# KiCad board trifecta.kicad_pcb (continued)
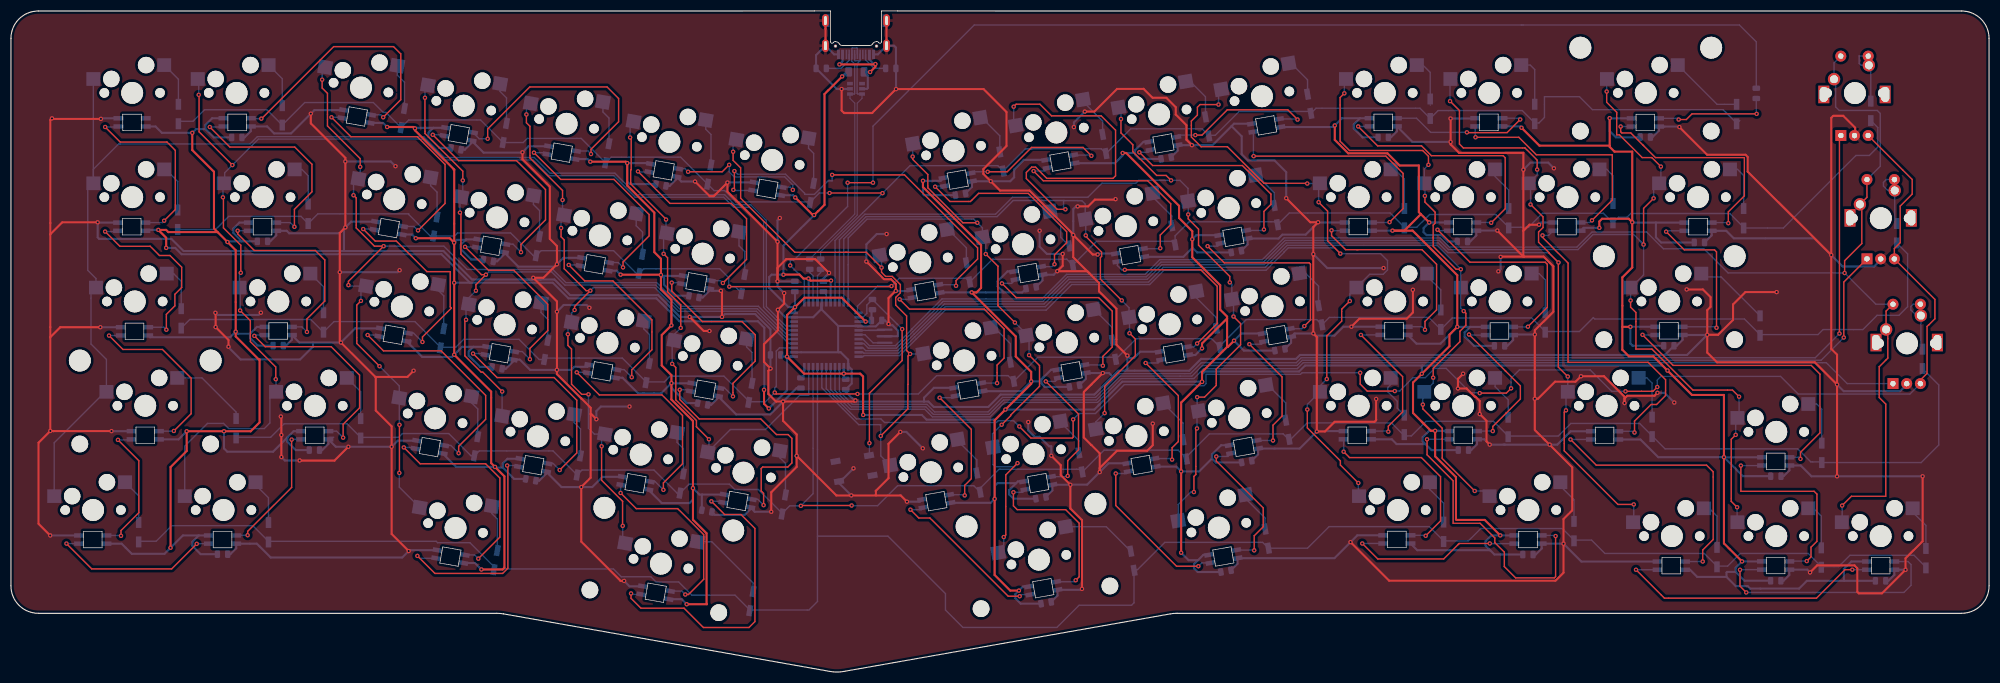
[diagram p0: board, top side]
## Routing (per net, layer and track width the routed paths; a pad name or vN(x,y) marks a point on that pad's centre or on a via; arc(x,y) is an arc through that point) (continued)
col2: length 180.5
  Top w0.25: 68.02,77.79 v1(68.01,77.8) ; v1(68.01,77.8) 61.59,71.37 v1(61.59,70.68) ; v1(68.01,77.8) 66.33,77.8 63.01,81.12 63.01,86.61 v1(62.52,87.1) ; v1(63.87,67.8) 63.11,67.04 63.11,60.02 v1(67.26,55.87) ; v1(56.79,108.21) 56.79,106.69 57.76,105.71 57.76,99.76 63.73,93.79 v1(63.73,92.28) ; v1(70.9,45.17) 70.9,36.4 v1(70.87,36.37) 70.91,36.33 70.97,36.33
  Bottom w0.25: v1(62.52,87.1) 62.52,89.18 K_19.1 63.73,90.4 v1(63.73,92.28) ; 143.09,61.62 141.6,61.62 136.4,66.81 122.18,66.81 117.86,71.13 101.29,71.13 98.87,73.54 83.25,73.54 79,77.8 v1(68.01,77.8) ; v1(56.79,108.21) 56.79,109.94 K_3.1 ; v1(70.9,45.17) 70.87,45.2 K_49.1 70.87,52.26 v1(67.26,55.87) ; v1(63.87,67.8) 63.87,69.57 K_35.1 61.77,70.49 v1(61.59,70.68) ; K_64.1 70.87,33.78 v1(70.87,36.37)
col3: length 132.5
  Top w0.25: v1(83.05,64.35) 82.84,64.14 82.84,57.75 85.81,54.78 86.11,54.78 v1(89.65,51.24) ; v1(84.85,69.66) 84.85,70.76 v1(86.68,72.59) 85.86,72.59 82.12,76.33 82.12,83.74 v1(81.94,83.93) ; v1(82.46,89.81) 82.46,91.49 75.56,98.39 v1(75.56,104.9)
  Bottom w0.25: v1(86.68,72.59) 87.18,73.09 98.69,73.09 101.1,70.68 117.67,70.68 121.99,66.36 136.22,66.36 141.76,60.82 143.09,60.82 ; v1(75.56,104.9) 75.56,106.64 K_4.1 ; v1(89.65,51.24) 89.63,51.22 K_50.1 ; v1(81.94,83.93) 81.94,86.53 K_20.1 82.46,87.06 v1(82.46,89.81) ; v1(84.85,69.66) 83.56,68.37 K_36.1 83.05,66.68 v1(83.05,64.35)
col4: length 136.7
  Top w0.25: v1(100.4,81.12) 100.4,79.5 100.97,78.93 100.97,73.67 104.97,69.67 v1(105.73,69.67) 102.86,66.79 v1(102.86,66.14) ; v1(105.4,50.73) 104.16,50.73 102.3,52.59 102.3,59 101.64,59.66 v1(101.64,61.71) ; v1(107.79,41.24) 107.79,35.03 111.62,31.21 111.62,26.66 111.62,26.68 v1(111.64,26.71) ; v1(94.07,101.86) 94.07,100.34 94.72,99.69 94.72,93.91 100.66,87.97 v1(100.66,86.23)
  Bottom w0.25: 143.09,60.02 141.92,60.02 136.03,65.91 121.8,65.91 117.49,70.23 106.29,70.23 v1(105.73,69.67) ; v1(111.64,26.71) 111.64,23.97 K_65.1 ; v1(100.66,86.23) 100.66,83.74 K_21.1 100.4,82.93 v1(100.4,81.12) ; v1(102.86,66.14) 102.32,65.6 K_37.1 101.64,63.2 v1(101.64,61.71) ; K_5.1 94.07,103.08 v1(94.07,101.86) ; v1(105.4,50.73) 105.4,44.54 106.47,43.46 K_51.1 107.79,42.86 v1(107.79,41.24)
col5: length 96.7
  Top w0.25: v1(112.99,97.65) 113.19,97.45 113.19,91.79 113.1,91.7 113.1,89.17 119.55,82.72 v1(119.55,82.66) ; v1(120.67,56.29) 121.33,55.63 121.33,49.72 125.1,45.95 125.1,44.8 v1(127.38,42.52) ; v1(119.11,76.4) 119.83,75.68 119.83,69.48 122.23,67.07 v1(122.23,62.87)
  Bottom w0.25: v1(120.67,56.29) 120.67,60.16 K_38.1 121.08,61.71 v1(122.23,62.87) ; v1(127.38,42.52) 127.38,40.38 K_52.1 131.3,44.3 137.69,44.3 143.95,50.57 145.59,50.57 145.59,55.92 ; v1(119.55,82.66) 119.55,80.3 K_22.1 119.11,79.57 v1(119.11,76.4) ; v1(112.99,97.65) 112.99,99.94 K_6.1
col6: length 109.5
  Top w0.25: v1(131.79,95.05) 131.79,93.47 133.16,92.1 133.16,86.56 143.04,76.68 156.09,76.68 v1(158.88,73.89) 158.88,73.02 159.62,72.27 160.82,72.27 162.32,70.78 162.32,69.29 161.46,68.43 161.46,67.04 163.45,65.05 163.45,58.74 v1(164.09,58.11) 163.71,57.73 163.71,52.57 163.68,52.54 163.68,48.07 v1(158.74,43.13)
  Bottom w0.25: v1(158.88,73.89) 158.88,75.76 K_23.1 ; v1(131.79,95.05) 131.79,96.67 K_7.1 ; K_53.1 158.74,39.48 v1(158.74,43.13) 158.74,45.19 154.72,45.19 147.99,51.92 147.99,55.92 ; K_39.1 166.45,58.11 v1(164.09,58.11)
col7: length 133.3
  Top w0.25: v1(164.56,94.16) 164.56,93.66 167.33,90.89 167.33,88.46 173.72,82.07 v1(176.35,82.07) ; v1(183.22,63.84) 180.13,66.93 180.13,74.13 v1(177.91,76.35) ; v1(185.8,57.89) 187.71,55.98 187.71,52.2 182.44,46.94 182.44,46.82 v1(180.8,45.18) ; v1(181.18,24.66) 181.55,25.03 181.55,36.02 v1(183.69,38.16)
  Bottom w0.25: K_8.1 164.56,96.48 v1(164.56,94.16) ; 152.79,67.32 152.79,74.4 152.79,74.4 152.79,79.3 156.23,82.73 175.69,82.73 v1(176.35,82.07) 177.29,81.13 K_24.1 177.91,78.8 v1(177.91,76.35) ; v1(185.8,57.89) 185.8,60.95 K_40.1 185.27,61.78 v1(183.22,63.84) ; v1(180.8,45.18) 179.12,43.5 179.12,41.16 K_54.1 179.21,37.9 179.62,37.5 183.03,37.5 v1(183.69,38.16) ; v1(181.18,24.66) 181.18,22.82 K_66.1
col8: length 170.5
  Top w0.25: v1(202.72,67.88) 198.82,71.79 198.82,75.7 199.04,75.92 199.04,76.7 196.15,79.59 v1(196.15,79.77) ; v1(182.99,103.28) 183.44,103.73 187.77,103.73 189.9,101.6 198.96,101.6 201.59,98.98 201.59,90.65 201.12,90.18 189.03,90.18 186.98,92.24 186.28,92.24 185.3,91.26 185.3,90.14 190.91,84.53 v1(192.44,84.53) ; v1(204.13,61.89) 205.19,60.83 205.19,57.77 199.59,52.17 v1(199.59,47.3)
  Bottom w0.25: v1(182.99,103.28) 182.99,100.2 K_9.1 ; 192.09,86.14 192.31,86.14 192.33,86.11 194.7,86.11 194.72,86.09 195.45,86.09 196.05,85.5 K_25.1 196.15,82.63 v1(196.15,79.77) ; 192.09,86.14 192.09,84.88 v1(192.44,84.53) ; 192.09,86.14 182.91,86.14 179.95,83.18 156.04,83.18 151.99,79.13 151.99,68.32 151.99,68.32 151.99,67.32 ; K_55.1 197.98,45.68 v1(199.59,47.3) ; v1(204.13,61.89) 204.13,64.71 K_41.1 204.05,66.56 v1(202.72,67.88)
  Bottom w0.381: 197.17,45.29 197.83,45.29
col9: length 169.8
  Top w0.25: 218.13,76.57 216.73,77.98 216.73,80.9 214.85,82.78 v1(214.85,83.59) ; 218.13,76.57 218.37,76.33 ; 218.13,76.57 222.43,72.27 v1(222.43,71.18) ; v1(216.45,44.51) 216.24,44.3 216.24,36.09 215.89,35.74 v1(215.89,32.88) ; v1(202.58,101.04) 202.58,98.48 204.73,96.32 204.73,95.07 209.09,90.71 210.82,90.71 v1(211.72,89.81) ; v1(216.48,50.22) 217.82,50.22 219.96,52.36 219.96,55.34 224.4,59.78 224.4,63.65 v1(223.11,64.94)
  Bottom w0.25: v1(216.45,44.51) 216.45,47.4 K_56.1 216.48,47.95 v1(216.48,50.22) ; K_67.1 213.01,30.59 215.31,32.88 v1(215.89,32.88) ; v1(202.58,101.04) 202.58,102.69 K_10.1 ; 151.19,67.32 151.19,68.32 151.19,68.32 151.19,78.98 155.85,83.64 179.68,83.64 182.78,86.74 196.54,86.74 199.1,89.29 205.29,89.29 205.81,89.81 v1(211.72,89.81) 213.34,89.81 214.81,88.34 K_26.1 214.85,86 v1(214.85,83.59) ; v1(223.11,64.94) 223.11,67.8 K_42.1 222.81,70.81 v1(222.43,71.18)
col10: length 215
  Top w0.25: v1(245.89,34.54) 242.62,37.81 242.62,38.58 236.58,44.61 v1(236.58,47.96) ; v1(220.38,103.66) 217.01,103.66 216.52,103.17 216.52,101.75 215.42,100.65 215.42,97.74 217.2,95.96 222,95.96 228.67,89.28 236.52,89.28 v1(236.57,89.23) ; v1(238.64,85.83) 240.28,84.19 240.28,78.77 v1(242.61,76.43) ; v1(240.14,53.51) 240.14,61.46 240.21,61.46 242.85,64.11 242.85,66.28 v1(244.34,67.77)
  Bottom w0.25: K_11.1 220.38,105.95 v1(220.38,103.66) ; v1(236.57,89.23) 238.82,89.23 K_27.1 238.64,89.05 v1(238.64,85.83) ; v1(244.34,67.77) 244.34,69.03 K_43.1 247.97,72.66 250.43,72.66 251.21,73.44 251.21,75.17 249.94,76.43 v1(242.61,76.43) 241.56,77.49 241.56,77.49 233.1,77.49 232.34,76.73 232.34,76.68 229.06,73.4 210.42,73.4 207.81,70.79 193.59,70.79 188.92,66.11 170.49,66.11 165.2,60.82 165.18,60.82 162.17,57.81 155.68,57.81 155.49,57.62 154.49,57.62 ; K_68.1 245.89,32.26 v1(245.89,34.54) ; v1(236.58,47.96) 236.58,48.89 K_57.1 238.88,52.25 v1(240.14,53.51)
col11: length 225.3
  Top w0.25: v1(257.66,48.85) 257.66,48.07 261.2,44.53 261.2,42.64 ; 259.55,79.24 259.55,79.42 ; 259.55,79.42 259.55,81.64 259.9,82 259.9,84 258.04,85.86 v1(258.04,86.97) ; 259.55,79.42 259.55,77.77 263.73,73.59 v1(264.59,73.59) ; 261.2,42.45 261.2,42.64 ; 261.2,42.64 261.2,39.01 v1(267.14,33.08) ; v1(265.12,65.94) 265.51,65.54 265.51,63.34 264.44,62.26 264.44,60.36 259.55,55.48 v1(259.55,53.77) ; v1(258.69,92.65) 258.69,94.21 257.63,95.27 244.26,95.27 242.57,96.97 242.57,104.94 v1(243.34,105.72)
  Bottom w0.25: v1(258.04,86.97) 258.04,89.17 K_28.1 257.93,91.89 v1(258.69,92.65) ; 154.49,58.42 155.49,58.42 155.64,58.26 161.99,58.26 165,61.27 165.01,61.27 170.49,66.74 188.77,66.74 193.26,71.24 207.61,71.24 210.29,73.92 228.94,73.92 228.94,73.98 232.9,77.94 260.24,77.94 260.24,77.94 v1(264.59,73.59) K_44.1 264.56,70.2 264.56,66.49 v1(265.12,65.94) ; v1(257.66,48.85) 257.66,50.92 K_58.1 257.95,51.18 259.55,52.79 v1(259.55,53.77) ; K_12.1 243.34,108.03 v1(243.34,105.72) ; v1(267.14,33.08) 268.89,33.08 K_69.1
col12: length 243.9
  Top w0.25: v1(262.62,104.29) 264.34,102.57 264.34,96.45 265.06,95.74 276.3,95.74 278.52,93.52 v1(278.52,91.79) ; v1(284.11,53.98) 282.39,55.7 282.39,74.85 282.39,74.84 v1(282.41,74.82) 280.66,76.57 280.66,76.63 278.78,78.52 278.78,80.38 279.6,81.19 279.6,83.16 277.34,85.41 v1(277.31,85.41) ; v1(296.15,30.62) 293.26,30.62 283.47,40.41 283.47,47.49 v1(283.79,47.81)
  Bottom w0.25: 280.62,76.62 280.62,76.61 v1(282.41,74.82) ; 280.62,76.62 280.87,76.37 ; 280.62,76.62 262.24,76.62 260.47,78.39 232.71,78.39 228.72,74.4 210.03,74.4 207.38,71.75 193.05,71.75 188.54,67.23 170.34,67.23 164.83,61.72 164.81,61.72 161.8,58.71 155.99,58.71 155.49,59.22 154.49,59.22 ; K_13.1 262.62,108.27 v1(262.62,104.29) ; v1(277.31,85.41) 277.31,88.95 K_29.1 278.52,90.83 v1(278.52,91.79) ; K_70.1 296.15,27.5 v1(296.15,30.62) ; v1(283.79,47.81) 283.79,50.85 K_59.1 284.11,51.2 v1(284.11,53.98)
col13: length 259.1
  Top w0.25: v1(299.78,86.54) 297.95,84.7 v1(297.95,78.09) 297.95,78.12 ; v1(291.21,106.05) 291.21,104.08 293.04,102.25 293.04,98.13 293.55,98.13 297.7,93.98 299.46,93.98 v1(301.1,92.33) ; v1(314.76,43.33) 313.95,42.52 313.95,31.18 v1(315.02,30.11) ; v1(315.38,50.3) 314.17,51.51 306.96,51.51 299.47,59 296.55,59 296.55,65.68 295.58,66.65 v1(295.58,67.87)
  Bottom w0.25: K_71.1 315.02,27.43 v1(315.02,30.11) ; v1(301.1,92.33) 301.1,89.6 K_30.1 299.78,88.28 v1(299.78,86.54) ; 297.35,78.71 297.35,78.68 v1(297.95,78.09) 297.95,72.54 295.64,70.23 K_45.1 295.58,70.21 v1(295.58,67.87) ; 297.35,78.71 297.7,78.37 ; 297.35,78.71 296.14,79.93 288.72,79.93 285.96,77.17 262.34,77.17 260.66,78.84 232.53,78.84 228.56,74.88 209.87,74.88 207.2,72.2 192.84,72.2 188.35,67.71 170.11,67.71 169.91,67.51 169.91,67.48 161.59,59.16 156.47,59.16 155.62,60.02 154.49,60.02 ; K_15.1 291.21,108.28 v1(291.21,106.05) ; v1(315.38,50.3) 315.38,46.72 K_60.1 314.76,46.1 v1(314.76,43.33)
D+: length 43.7
  Bottom w0.2: R4.2 147.76,76.79 154.44,83.47 154.44,103.92 155.32,104.79 U2.6
  Bottom w0.25: 154.93,111.66 154.97,111.7 J1.B6 ; 154.93,111.66 154.42,111.15 154.42,105.7 154.54,105.59 U2.6 ; 154.93,111.66 154.04,111.66 153.97,111.73 J1.A6
D-: length 45.4
  Bottom w0.2: R5.2 153.99,83.66 153.99,103.92 153.12,104.79 U2.1
  Bottom w0.25: U2.1 153.9,105.59 153.97,105.66 153.97,111.09 153.44,111.62 153.44,112.81 J1.B7 153.47,113.92 153.56,114.01 154.39,114.01 154.47,113.93 J1.A7
ENC0A: length 231
  Top w0.25: 334.06,98.01 333.69,97.64 v1(333.69,61.83)
  Bottom w0.25: 151.19,55.92 151.19,51.26 153.55,48.9 167.17,48.9 168.55,47.52 178.32,47.52 180.97,50.17 197.93,50.17 202.27,54.51 215.24,54.51 217.24,56.5 234.56,56.5 235.47,57.41 329.27,57.41 v1(333.69,61.83)
ENC1A: length 212.3
  Top w0.25: v1(334.48,61.11) 334.48,71.24 SW3.A
  Bottom w0.25: 150.39,55.92 150.39,51.43 153.37,48.45 166.96,48.45 168.34,47.07 178.5,47.07 181.14,49.71 198.1,49.71 202.45,54.06 215.51,54.06 217.46,56.01 234.7,56.01 235.65,56.96 330.35,56.96 334.5,61.11 334.48,61.11 v1(334.48,61.11)
ENC2A: length 205.9
  Bottom w0.25: SW4.A 335.11,52.69 331.3,56.51 235.84,56.51 234.75,55.42 217.68,55.42 215.87,53.61 202.64,53.61 198.29,49.26 181.33,49.26 178.69,46.62 168.15,46.62 166.78,48 153.18,48 149.59,51.59 149.59,55.92
ENCB: length 285.9
  Top w0.25: SW2.B 346.97,89.98 346.97,87.31 344.78,85.12 344.78,78.44 343.71,77.37 SW3.B 351.11,68.07 351.11,64.53 350.04,63.45 350.01,63.45 349.68,63.12 349.68,54.56 348.46,53.35 SW4.B ; v1(193.84,46.15) 193.84,42.9 193.69,42.74 186.14,42.74 v1(184.02,44.87) ; v1(294.65,51.28) 299.49,51.28 299.51,51.3 299.68,51.3 v1(300.44,52.07) ; v1(273.77,51.83) 272.89,50.95 v1(268.05,50.95) ; v1(252.55,51.32) 247.51,51.32 246.23,52.6 v1(246.23,54.67)
  Bottom w0.25: v1(273.77,51.83) 273.77,53.68 275.29,55.19 288.2,55.19 288.2,55.2 292.12,51.28 v1(294.65,51.28) ; v1(252.55,51.32) 253.42,51.32 255.86,53.76 258.09,53.76 259.8,55.48 261.91,55.48 266.38,51.01 267.99,51.01 v1(268.05,50.95) ; 303.44,54 301.12,54 300.44,53.33 v1(300.44,52.07) ; 303.44,54 322.95,54 326.16,50.79 346.56,50.79 SW4.B ; 303.44,54 304.67,54 ; v1(193.84,46.15) 194.92,47.23 197.91,47.23 203.18,52.5 216.22,52.5 216.41,52.31 217.71,52.31 218.1,52.7 218.1,54.39 235.33,54.39 235.61,54.67 v1(246.23,54.67) ; v1(184.02,44.87) 182.98,45.9 180.17,45.9 179.85,45.59 159.42,45.59 158.77,46.24 154.3,46.24 148.79,51.75 148.79,55.92
LED: length 221.8
  Top w0.25: v1(152.68,89.39) v1(157.32,89.39)
  Bottom w0.25: v1(157.32,89.39) 157.32,99.72 175.79,118.2 275.62,118.2 ; 275.62,118.2 315.44,118.2 318.52,115.12 R7.2 ; 275.62,118.2 276.02,118.2 ; v1(152.68,89.39) 152.68,85.05 142.87,75.24 142.21,75.24 v1(142.21,74.28) 144.79,71.7 144.79,67.32
row0: length 343.8
  Top w0.25: v1(159.05,87.48) 159.02,87.5 v1(149.39,87.5)
  Bottom w0.25: 186.26,95.58 186.4,95.58 ; 186.26,95.58 185.14,95.58 ; 186.26,95.58 185.87,95.58 ; 186.4,95.58 198.97,95.58 D_9.1 204.36,99.23 217.4,99.23 218.58,98.05 219.78,98.05 224.14,102.4 236.89,102.4 D_11.1 238.17,103 257.14,103 D_12.1 260.45,102.56 275.81,102.56 278.08,100.29 278.84,100.29 279.86,101.31 279.86,105.1 286.25,105.1 288.61,102.73 312.47,102.73 314.92,100.28 ; 186.4,95.58 185.14,95.58 ; 185.14,95.58 D_8.1 180.09,92.5 164.08,92.5 v1(159.05,87.48) 150.39,78.82 150.39,68.32 150.39,68.32 150.39,67.32 ; 89.7,96.18 89.7,95.92 ; D_1.1 31.01,100.61 33.22,100.61 35.32,102.71 46.71,102.71 D_2.1 53.63,104.03 66.13,104.03 67.93,102.24 68.42,102.24 D_3.1 72.58,100.83 75.49,100.83 75.51,100.85 85.7,100.85 D_4.1 93.49,96.73 94.24,97.48 104.07,97.48 D_5.1 109.55,94.05 122.22,94.05 D_6.1 128.32,87.95 130.25,87.95 132.31,85.89 145.89,85.89 147.51,87.5 v1(149.39,87.5) 149.38,87.5 ; 315.51,100.74 D_15.1 ; 70.9,99.54 70.9,99.09
row1: length 362.8
  Top w0.25: v1(131.09,70.4) 160.59,70.4 v1(160.69,70.5)
  Bottom w0.25: 339.41,100.28 339.56,100.13 ; 101.18,76.97 96.75,76.97 D_20.1 95.32,76.07 91.18,80.21 81.51,80.21 80.95,79.65 D_19.1 76.52,79.65 72.58,83.58 72.58,83.7 56.01,83.7 D_18.1 52.93,83.24 39.73,83.24 37.34,80.85 D_17.1 ; 101.18,76.97 109.98,76.97 114.13,72.82 D_21.1 115.49,73.67 129.35,73.67 131,72.02 131,70.49 v1(131.09,70.4) ; 101.18,76.97 100.59,76.97 ; 316.21,81.24 313.68,83.77 295.63,83.77 294.95,83.08 293.38,83.08 D_29.1 290.61,83.81 279.5,83.81 276.94,81.25 273.33,81.25 271,83.58 258.89,83.58 256.56,81.25 254.3,81.25 251.7,83.85 233.29,83.85 D_26.1 230.62,82.25 215.01,82.25 212.46,79.69 D_25.1 211.81,78.68 198.12,78.68 D_24.1 192.69,75.41 179.13,75.41 D_23.1 174.29,71.94 162.13,71.94 v1(160.69,70.5) 158.15,70.5 154.49,66.84 154.49,65.62 ; 77.06,79.22 77.06,79.09 ; v1(131.09,70.4) 132.17,70.4 133.32,69.25 ; v1(131.09,70.4) 131.08,70.39 ; 292.36,81.22 292.44,81.22 ; 193.78,74.31 194.02,74.31 ; 212.55,77.42 212.55,78.92 ; D_30.1 323.46,81.12 336.7,94.36 339.15,94.36 340.69,95.9 340.69,99.46 D_31.1 ; 175.03,70.8 175.03,71.24
row2: length 367.5
  Top w0.25: v1(139.39,51.06) 139.65,50.8 v1(154.49,50.8)
  Bottom w0.25: D_46.1 346.13,76.39 346.13,66.74 344.56,65.16 340.57,65.16 337.97,62.56 330.69,62.56 329.77,61.64 319.2,61.64 316.35,64.49 289.04,64.49 288.78,64.75 286.24,62.21 280,62.21 277.53,64.68 263.03,64.68 D_43.1 258.75,64.78 240.6,64.78 D_42.1 238.31,64.38 225.43,64.38 220.58,59.53 220.58,59.43 219.12,60.89 205.37,60.89 D_40.1 201.22,57.51 187.41,57.51 D_39.1 181.96,54.15 168.94,54.15 165.59,50.8 v1(154.49,50.8) ; D_33.1 32.64,64.4 54.72,64.4 D_34.1 58.96,64.02 73.72,64.02 78.39,59.34 81.18,59.34 82.62,60.78 92.71,60.78 96.4,57.09 D_36.1 97.62,57.35 103.71,57.35 ; 201.79,56.22 201.79,56.39 ; 260.94,62.19 260.95,62.19 ; 103.45,57.35 103.71,57.35 ; 103.71,57.35 111.57,57.35 115.92,53 115.92,52.99 119.22,52.99 120.27,54.05 130.12,54.05 134.65,49.51 134.65,49.37 137.7,49.37 v1(139.39,51.06) 139.39,51.9 139.67,52.18 139.67,58.62 140.26,59.22 143.09,59.22 ; 239.37,62.71 239.52,62.71 ; 97.19,56.3 97.19,56.29 ; 183.04,52.85 183.11,52.85
row3: length 385
  Top w0.25: v1(153.42,30.42) 144.21,30.42 v1(144.15,30.36)
  Bottom w0.25: 330.47,38.39 328.46,38.39 326.08,40.77 301.87,40.77 297.23,45.41 284.67,45.41 282.38,43.12 273.23,43.12 270.55,45.8 258.24,45.8 255.58,43.14 254.31,43.14 251.94,45.5 236.54,45.5 233.49,42.46 233.23,42.46 232.18,43.5 218.7,43.5 214.5,39.3 214.5,39.05 213.02,40.53 199.48,40.53 D_54.1 195.02,37.05 180.35,37.05 176.89,33.59 D_53.1 175.71,34.04 161.81,34.04 158.16,30.39 153.46,30.39 v1(153.42,30.42) ; 122.02,32.16 122.02,32.42 ; 195.74,35.74 195.74,36.24 ; 146.39,55.92 146.39,32.6 v1(144.15,30.36) 142.12,30.36 140.75,28.99 136.4,33.35 132.08,33.35 131.1,34.32 123.74,34.32 D_51.1 121.56,32.69 117.35,36.9 104.22,36.9 D_50.1 98.93,40.39 85.46,40.39 D_49.1 83.95,39.5 79.89,43.57 71.44,43.57 70.74,42.87 63.82,42.87 61.35,45.35 49.85,45.35 47.39,42.89 41.09,42.89 ; 177.02,32.25 177.02,33.45 ; 103.04,35.53 103.16,35.53 ; D_60.1 348.6,38.26 351.82,41.48 351.82,52.44 D_61.1 ; 84.49,38.97 84.49,38.96
row4: length 406.9
  Bottom w0.25: 147.19,24.82 160.05,24.82 170.54,14.33 170.54,11.34 173.73,8.14 190.87,8.14 194.93,12.2 204.5,12.2 204.96,12.65 204.96,18.7 205.58,18.7 210.57,23.69 228.43,23.69 D_67.1 236.61,22.62 240.55,26.56 258.85,26.56 261.45,23.96 265.99,23.96 268.25,26.22 283.13,26.22 285.25,24.1 288.46,24.1 290.9,21.66 309.03,21.66 311.35,19.35 313.29,19.35 315.6,21.66 327.98,21.66 330.38,19.26 333.54,19.26 335.6,21.32 347.3,21.32 349.47,19.15 ; 147.19,24.82 147.19,12.89 145.64,11.34 134.85,11.34 132.14,14.04 124.27,14.04 121.85,16.45 117.73,16.45 116.78,17.41 111.38,17.41 109.96,18.83 88.17,18.83 88.17,19.22 83.76,23.63 77.85,23.63 77.6,23.88 46.99,23.88 44.14,26.74 29.34,26.74 26.5,23.9 23.31,23.9 ; 147.19,24.82 147.19,55.92
Net-(C1-Pad1): length 2.4
  Bottom w0.25: C1.1 148.79,68.98 148.79,67.32
Net-(D_1-Pad2): length 8.3
  Bottom w0.25: D_1.2 30.56,108.28 K_1.2 ; 30.39,103.34 30.43,103.37
Net-(D_2-Pad2): length 8.4
  Bottom w0.25: D_2.2 49.51,108.38 K_2.2 ; 49.51,103.34 49.51,103.34
Net-(D_3-Pad2): length 8.3
  Bottom w0.25: K_3.2 70.51,109.04 71.82,107.73 D_3.2
Net-(D_4-Pad2): length 7.7
  Bottom w0.25: K_4.2 89.27,106.04 90.43,104.88 D_4.2
Net-(D_5-Pad2): length 8.1
  Bottom w0.25: K_5.2 108.03,102.3 109.14,101.2 D_5.2
Net-(D_6-Pad2): length 8.6
  Bottom w0.25: K_6.2 126.8,99.16 127.76,98.2 D_6.2
Net-(D_7-Pad2): length 8.6
  Bottom w0.25: K_7.2 145.56,95.68 146.49,94.75 D_7.2
Net-(D_8-Pad2): length 7.9
  Bottom w0.25: D_8.2 180.46,97.96 177.15,101.27 K_8.2
Net-(D_9-Pad2): length 7.8
  Bottom w0.25: D_9.2 199.22,100.64 195.65,104.21 K_9.2
Net-(D_10-Pad2): length 8.4
  Bottom w0.25: D_10.2 217.99,105.09 215.19,107.89 K_10.2
Net-(D_11-Pad2): length 7.3
  Bottom w0.25: K_11.2 233.61,111.2 236.62,108.19 D_11.2
Net-(D_12-Pad2): length 7.9
  Bottom w0.25: 259.03,103.59 259.05,103.57 ; D_12.2 259.01,109.53 257.67,110.87 K_12.2
Net-(D_13-Pad2): length 9.1
  Bottom w0.25: D_13.2 278.08,110.06 277.26,110.87 K_13.2
Net-(D_15-Pad2): length 13.7
  Bottom w0.25: D_15.2 311.36,103.7 K_15.2 ; 314.91,103.59 314.92,103.58
Net-(D_17-Pad2): length 8.6
  Bottom w0.25: D_17.2 30.42,89.64 28.23,91.82 K_17.2 ; 30.4,84.29 30.42,84.27
Net-(D_18-Pad2): length 8.1
  Bottom w0.25: D_18.2 54.24,90.67 53.08,91.82 K_18.2
Net-(D_19-Pad2): length 7.7
  Bottom w0.25: D_19.2 77.76,87.66 76.59,88.84 K_19.2
Net-(D_20-Pad2): length 7.9
  Bottom w0.25: D_20.2 96.47,84.29 95.35,85.41 K_20.2
Net-(D_21-Pad2): length 7.9
  Bottom w0.25: K_21.2 114.11,81.52 115.26,80.37 D_21.2
Net-(D_22-Pad2): length 8.2
  Bottom w0.25: K_22.2 132.87,77.85 133.92,76.8 D_22.2
Net-(D_23-Pad2): length 7.7
  Bottom w0.25: K_23.2 171,80.86 174.36,77.5 D_23.2
Net-(D_24-Pad2): length 7.8
  Bottom w0.25: 193.14,77.82 D_24.2 191.58,79.4 191.58,81.49 189.58,83.49 K_24.2
Net-(D_25-Pad2): length 7.4
  Bottom w0.25: D_25.2 211.84,83.31 208.34,86.82 K_25.2
Net-(D_26-Pad2): length 7.1
  Bottom w0.25: D_26.2 230.54,87.56 227.32,90.78 K_26.2
Net-(D_27-Pad2): length 8.6
  Bottom w0.25: D_27.2 254.3,90.06 252.54,91.82 K_27.2 ; 254.29,84.54 254.3,84.55
Net-(D_28-Pad2): length 8.2
  Bottom w0.25: K_28.2 270.85,90.52 273.33,88.04 D_28.2 ; 273.32,84.54 273.33,84.55
Net-(D_29-Pad2): length 8
  Bottom w0.25: D_29.2 292.36,90.7 291.23,91.82 K_29.2
Net-(D_30-Pad2): length 9.1
  Bottom w0.25: 316.14,84.6 316.21,84.54 ; D_30.2 316.21,90.71 315.09,91.82 K_30.2
Net-(D_33-Pad2): length 8.7
  Bottom w0.25: 30.71,66.01 D_33.2 31.07,71.38 29.68,72.77 K_33.2
Net-(D_34-Pad2): length 8.7
  Bottom w0.25: K_34.2 57.03,70.38 D_34.2 56.67,65.99 ; 57.07,65.24 57.09,65.22